# Altium PCB 主板大.PcbDoc
Units mm, origin at the board's own origin, x right, y up, seen from the top; angles counter-clockwise.
Board outline 85 x 103 mm, 4 copper layers (Top Layer, Mid 1, Mid 2, Bottom Layer), stack 1.58 mm thick; 166 components, 101 nets, 623 pads, 226 vias.
Unrouted connection lines stored in the file: 64.
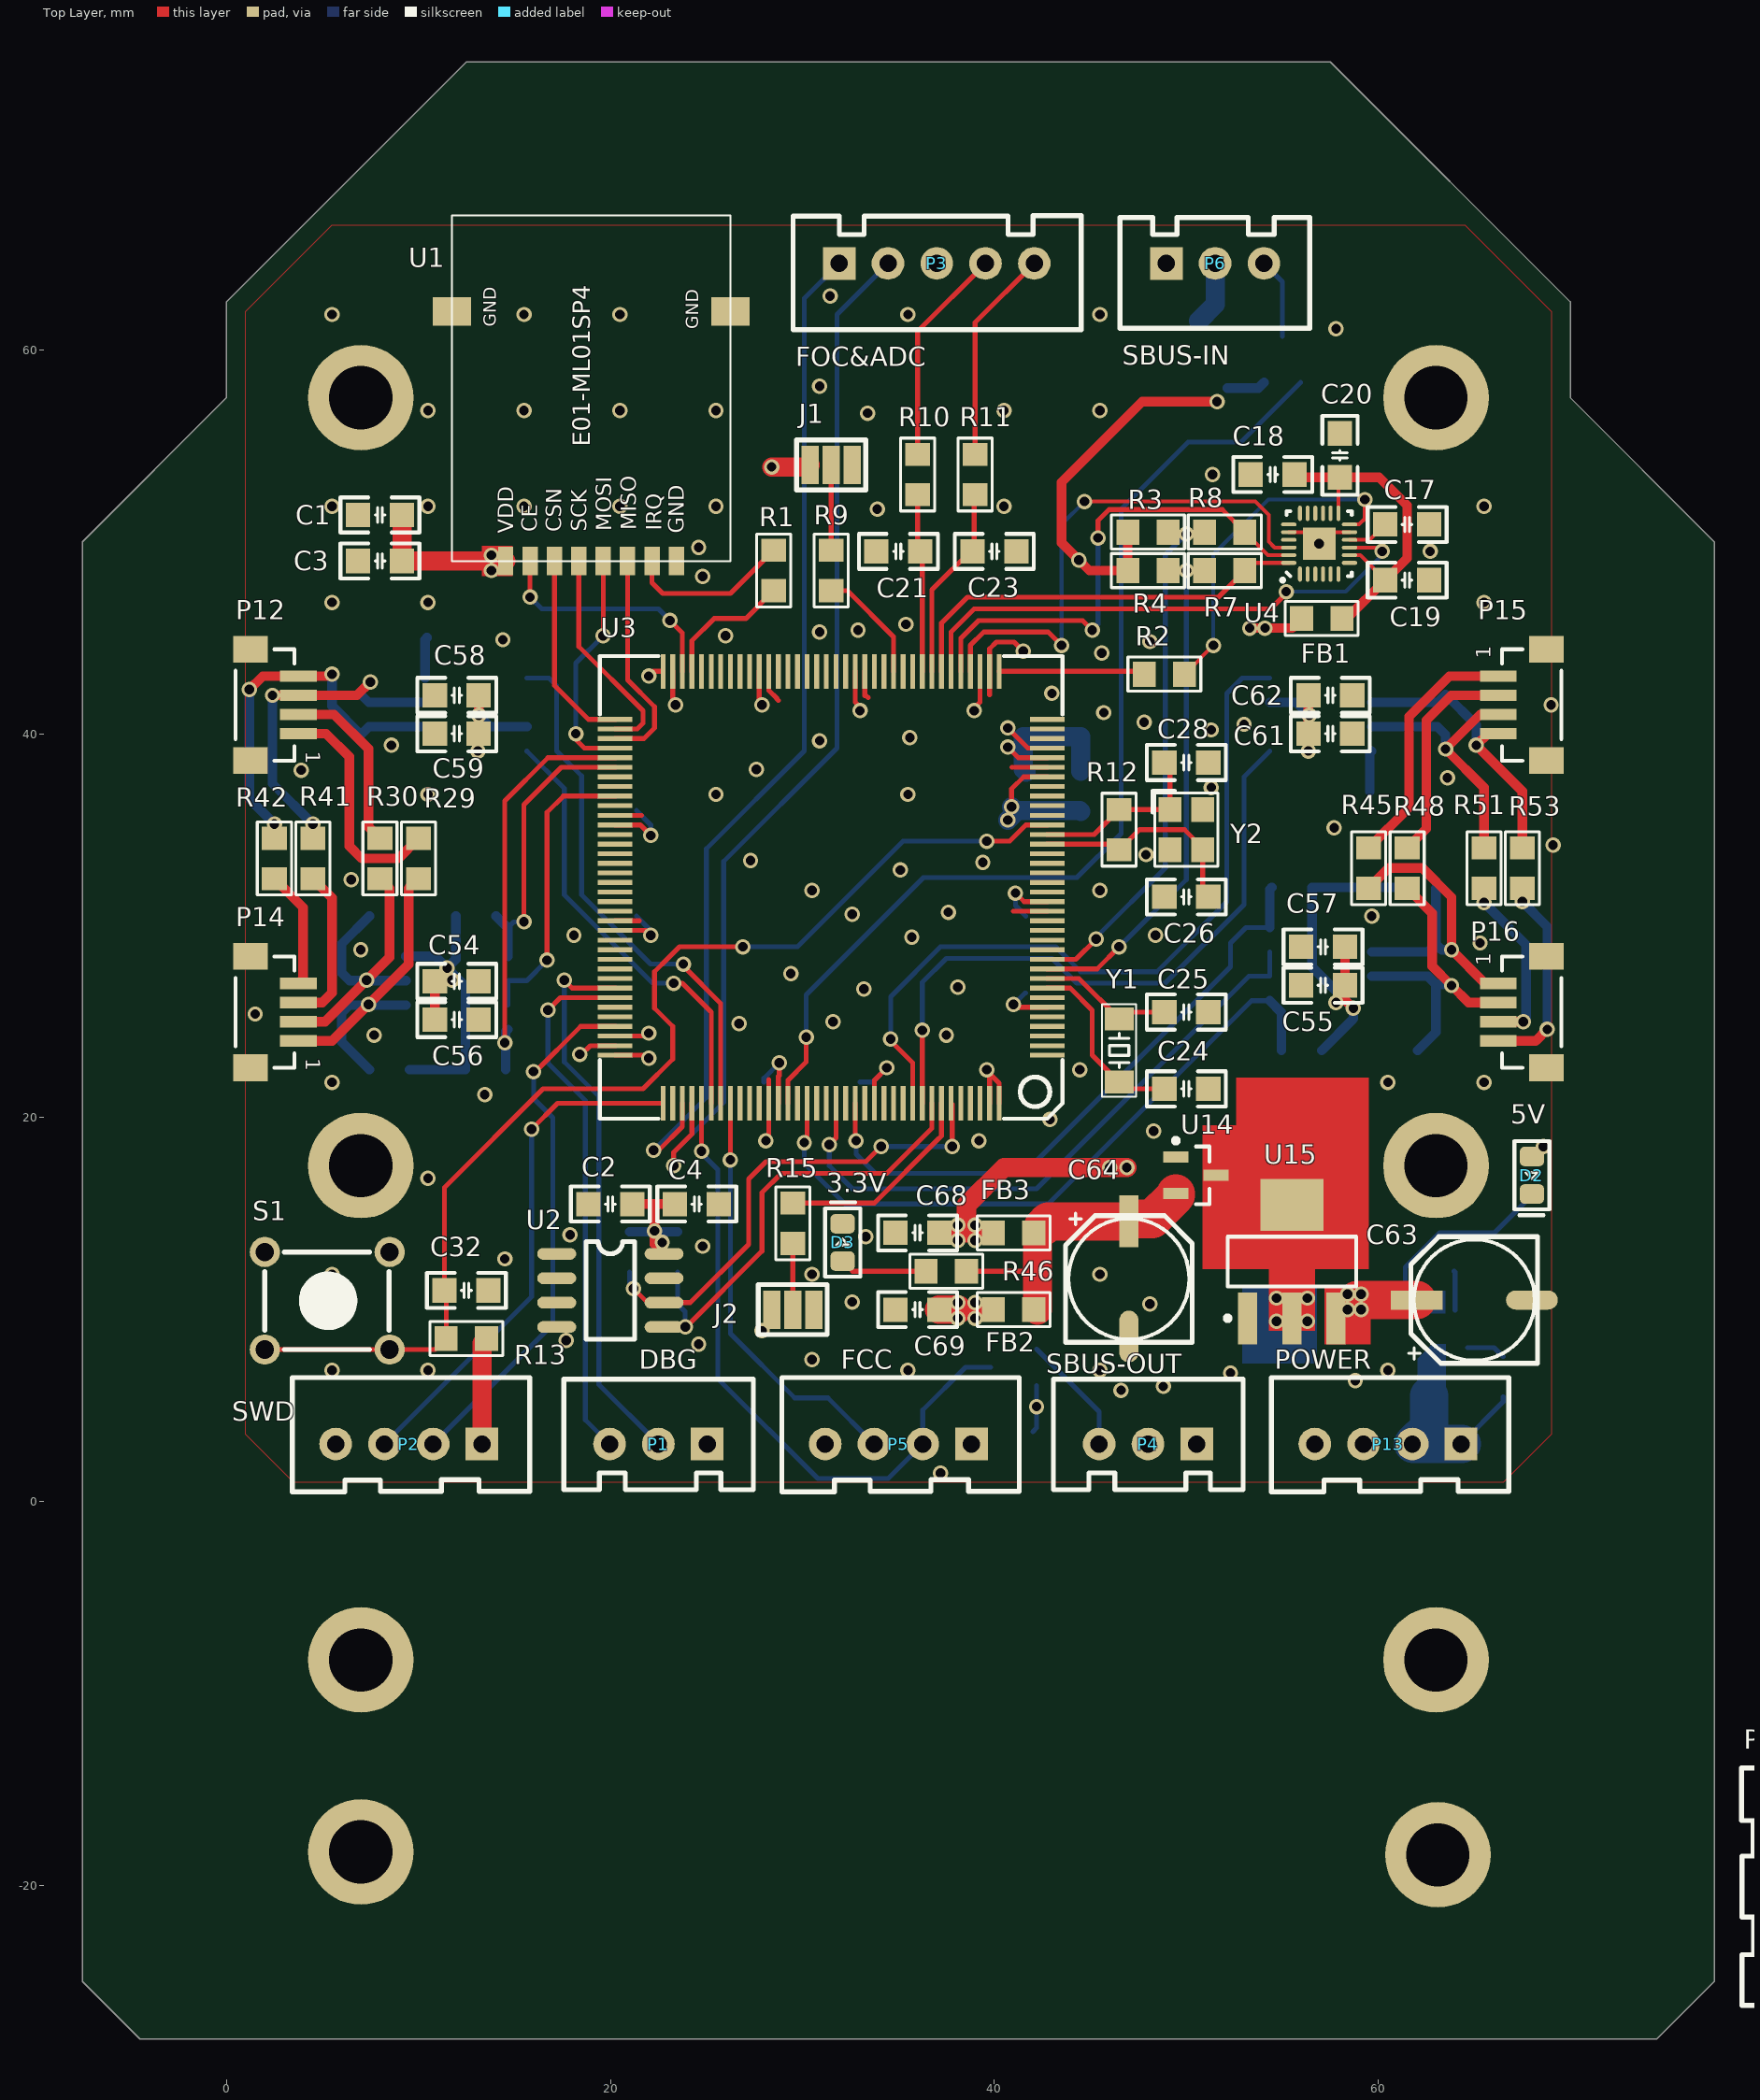
[diagram p0: Top Layer view]
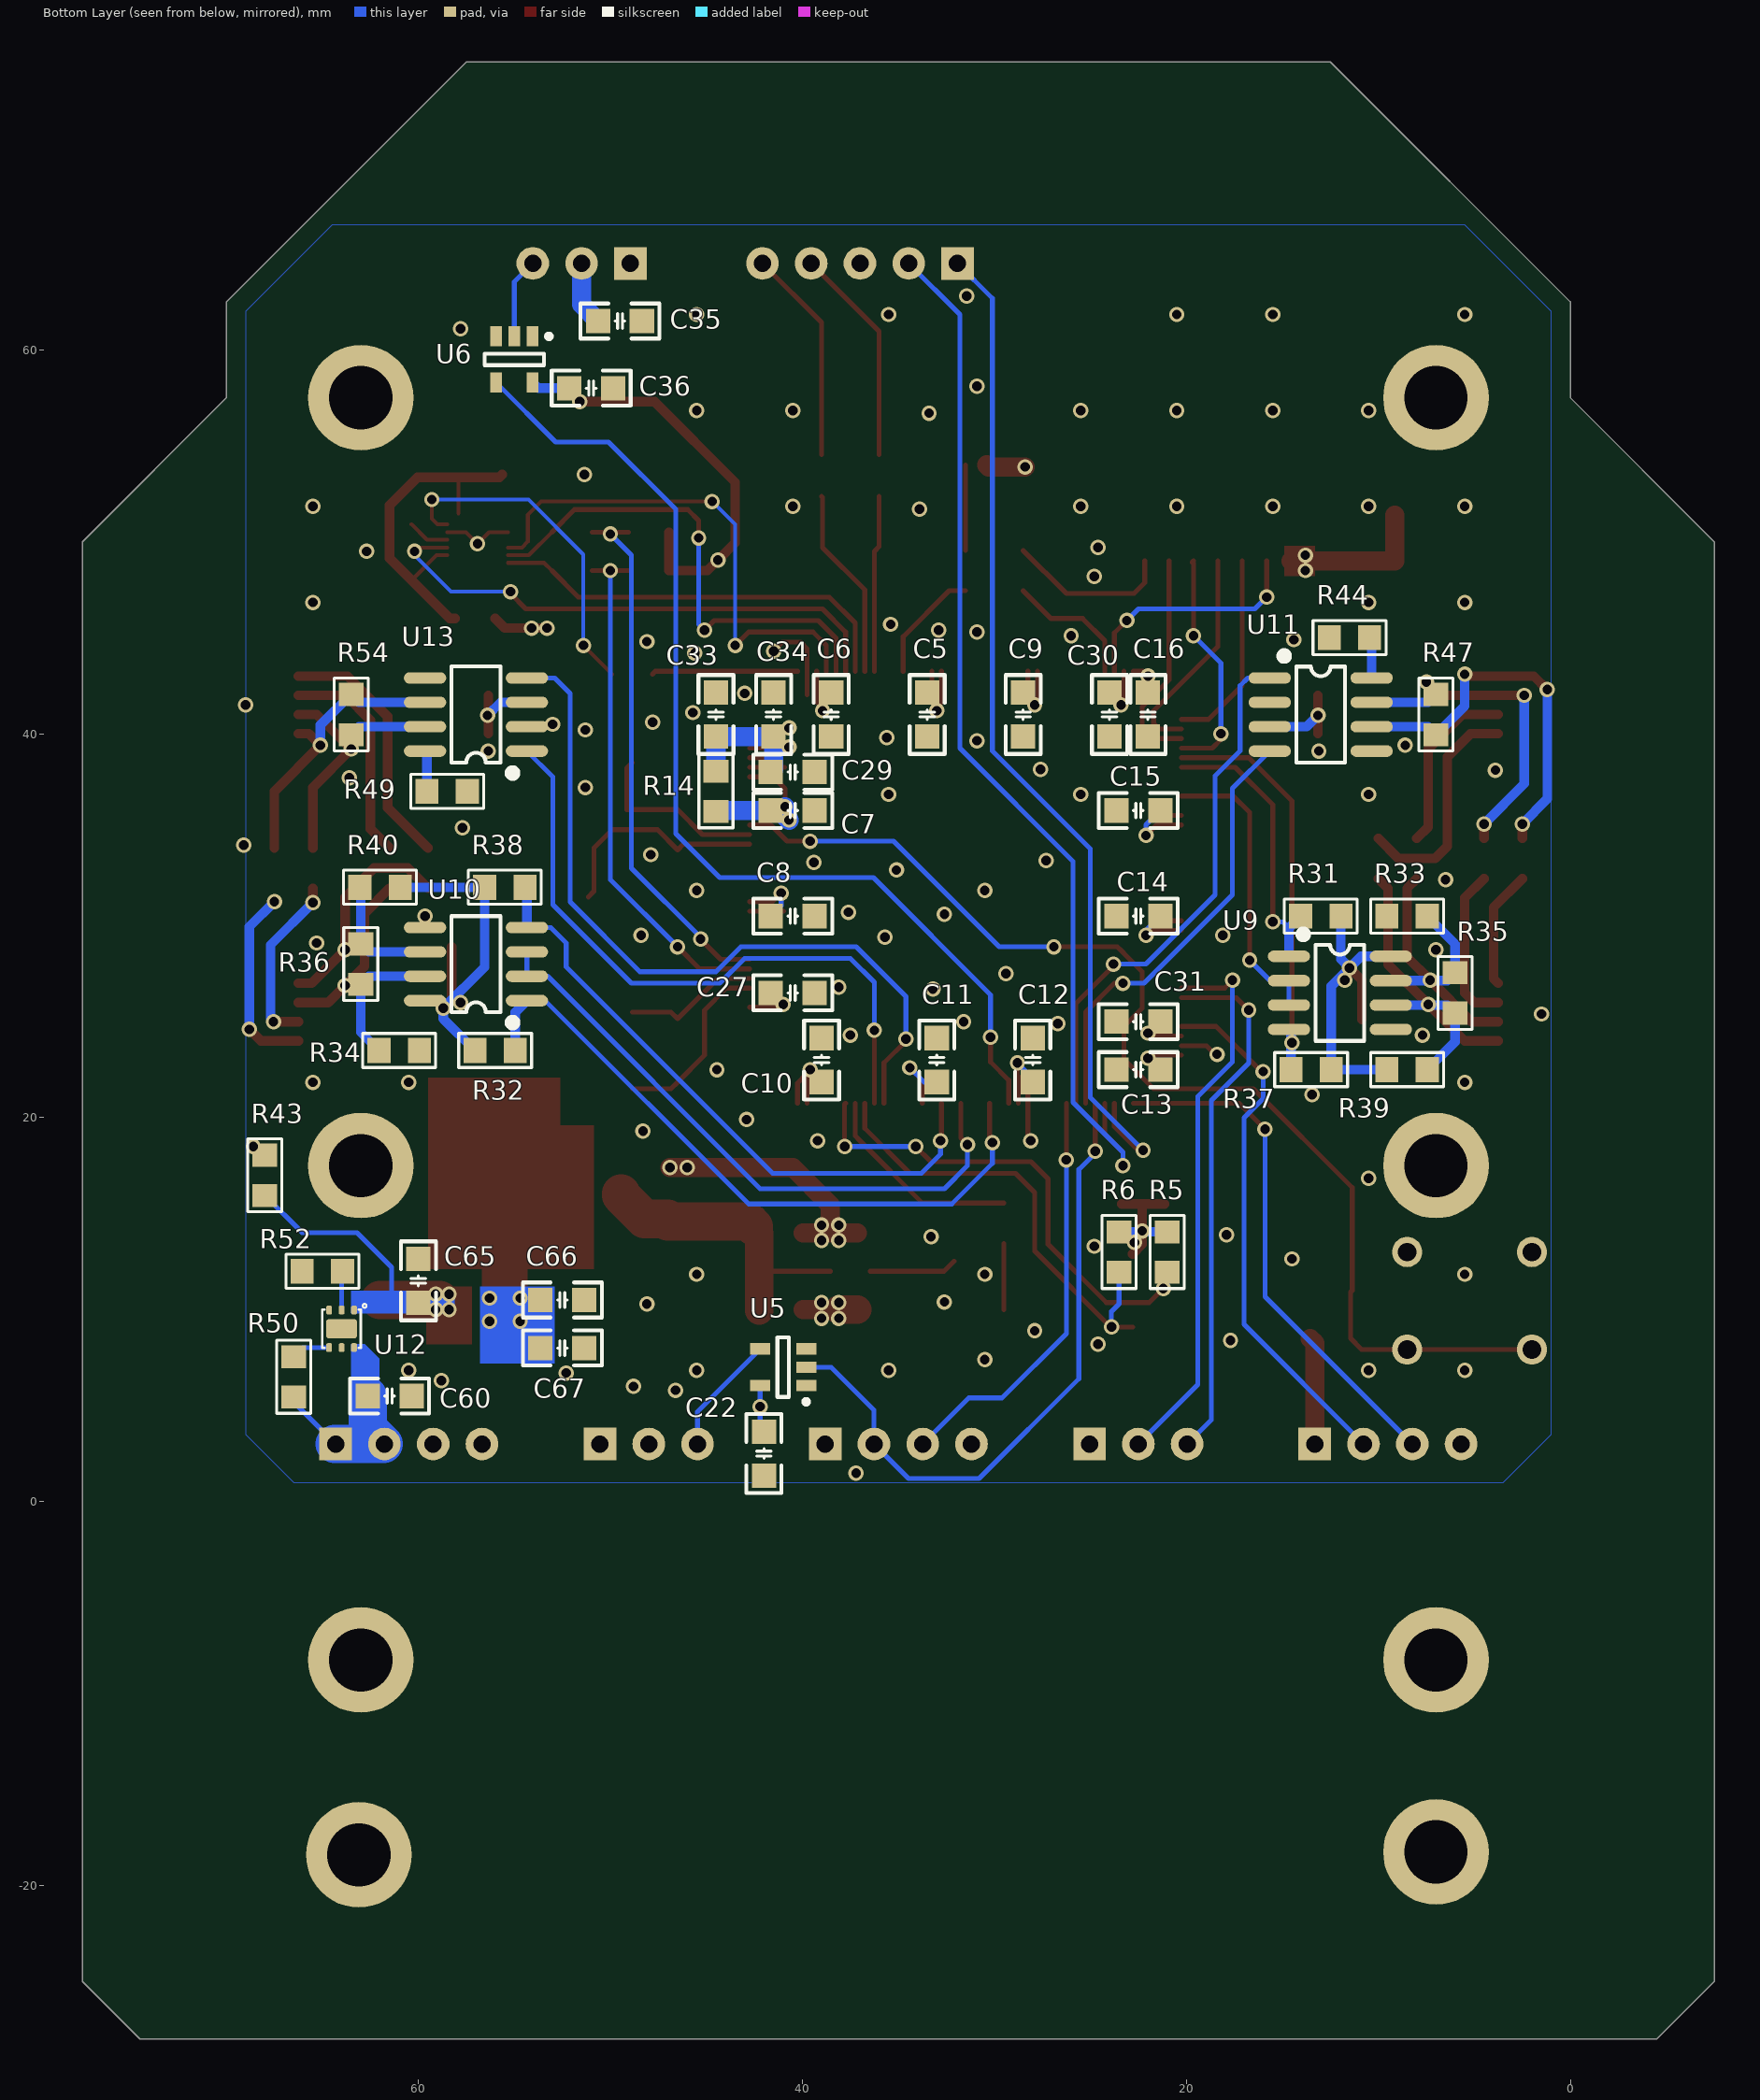
[diagram p1: Bottom Layer view, seen from below]
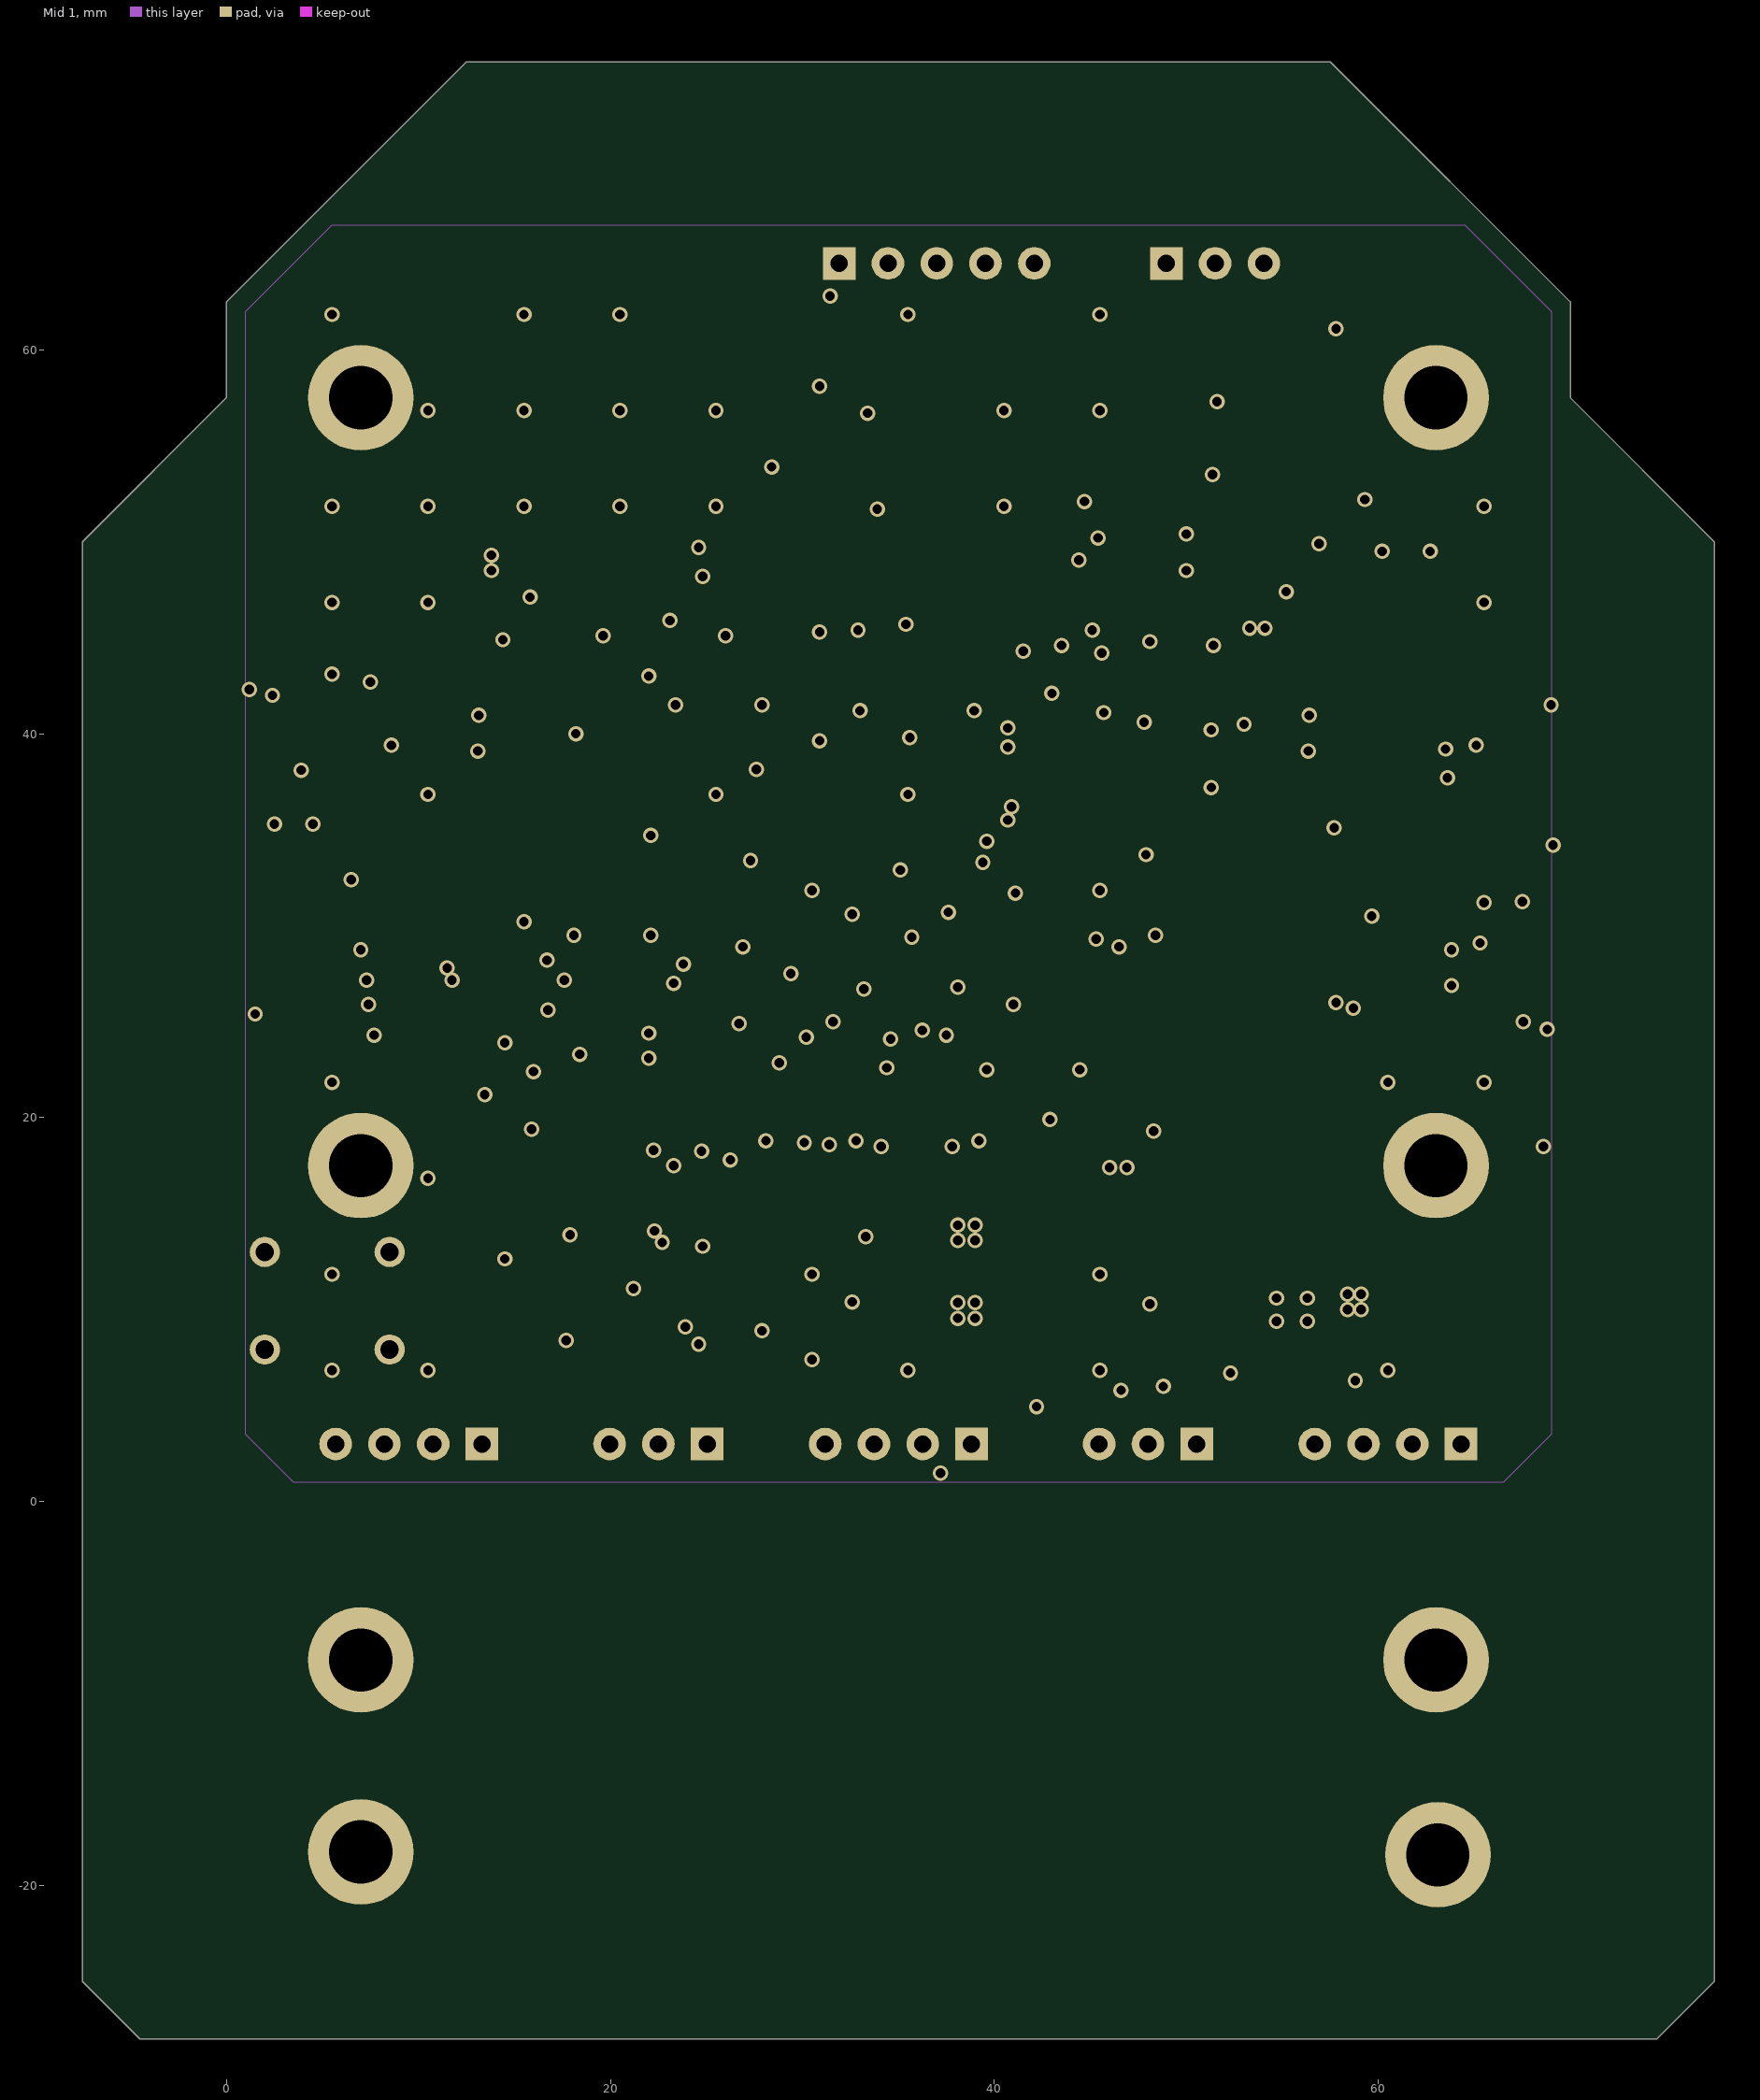
[diagram p2: Mid 1]